# Altium PCB PCB_3_3G_wireless.PcbDoc (part 1 of 6) (continued)
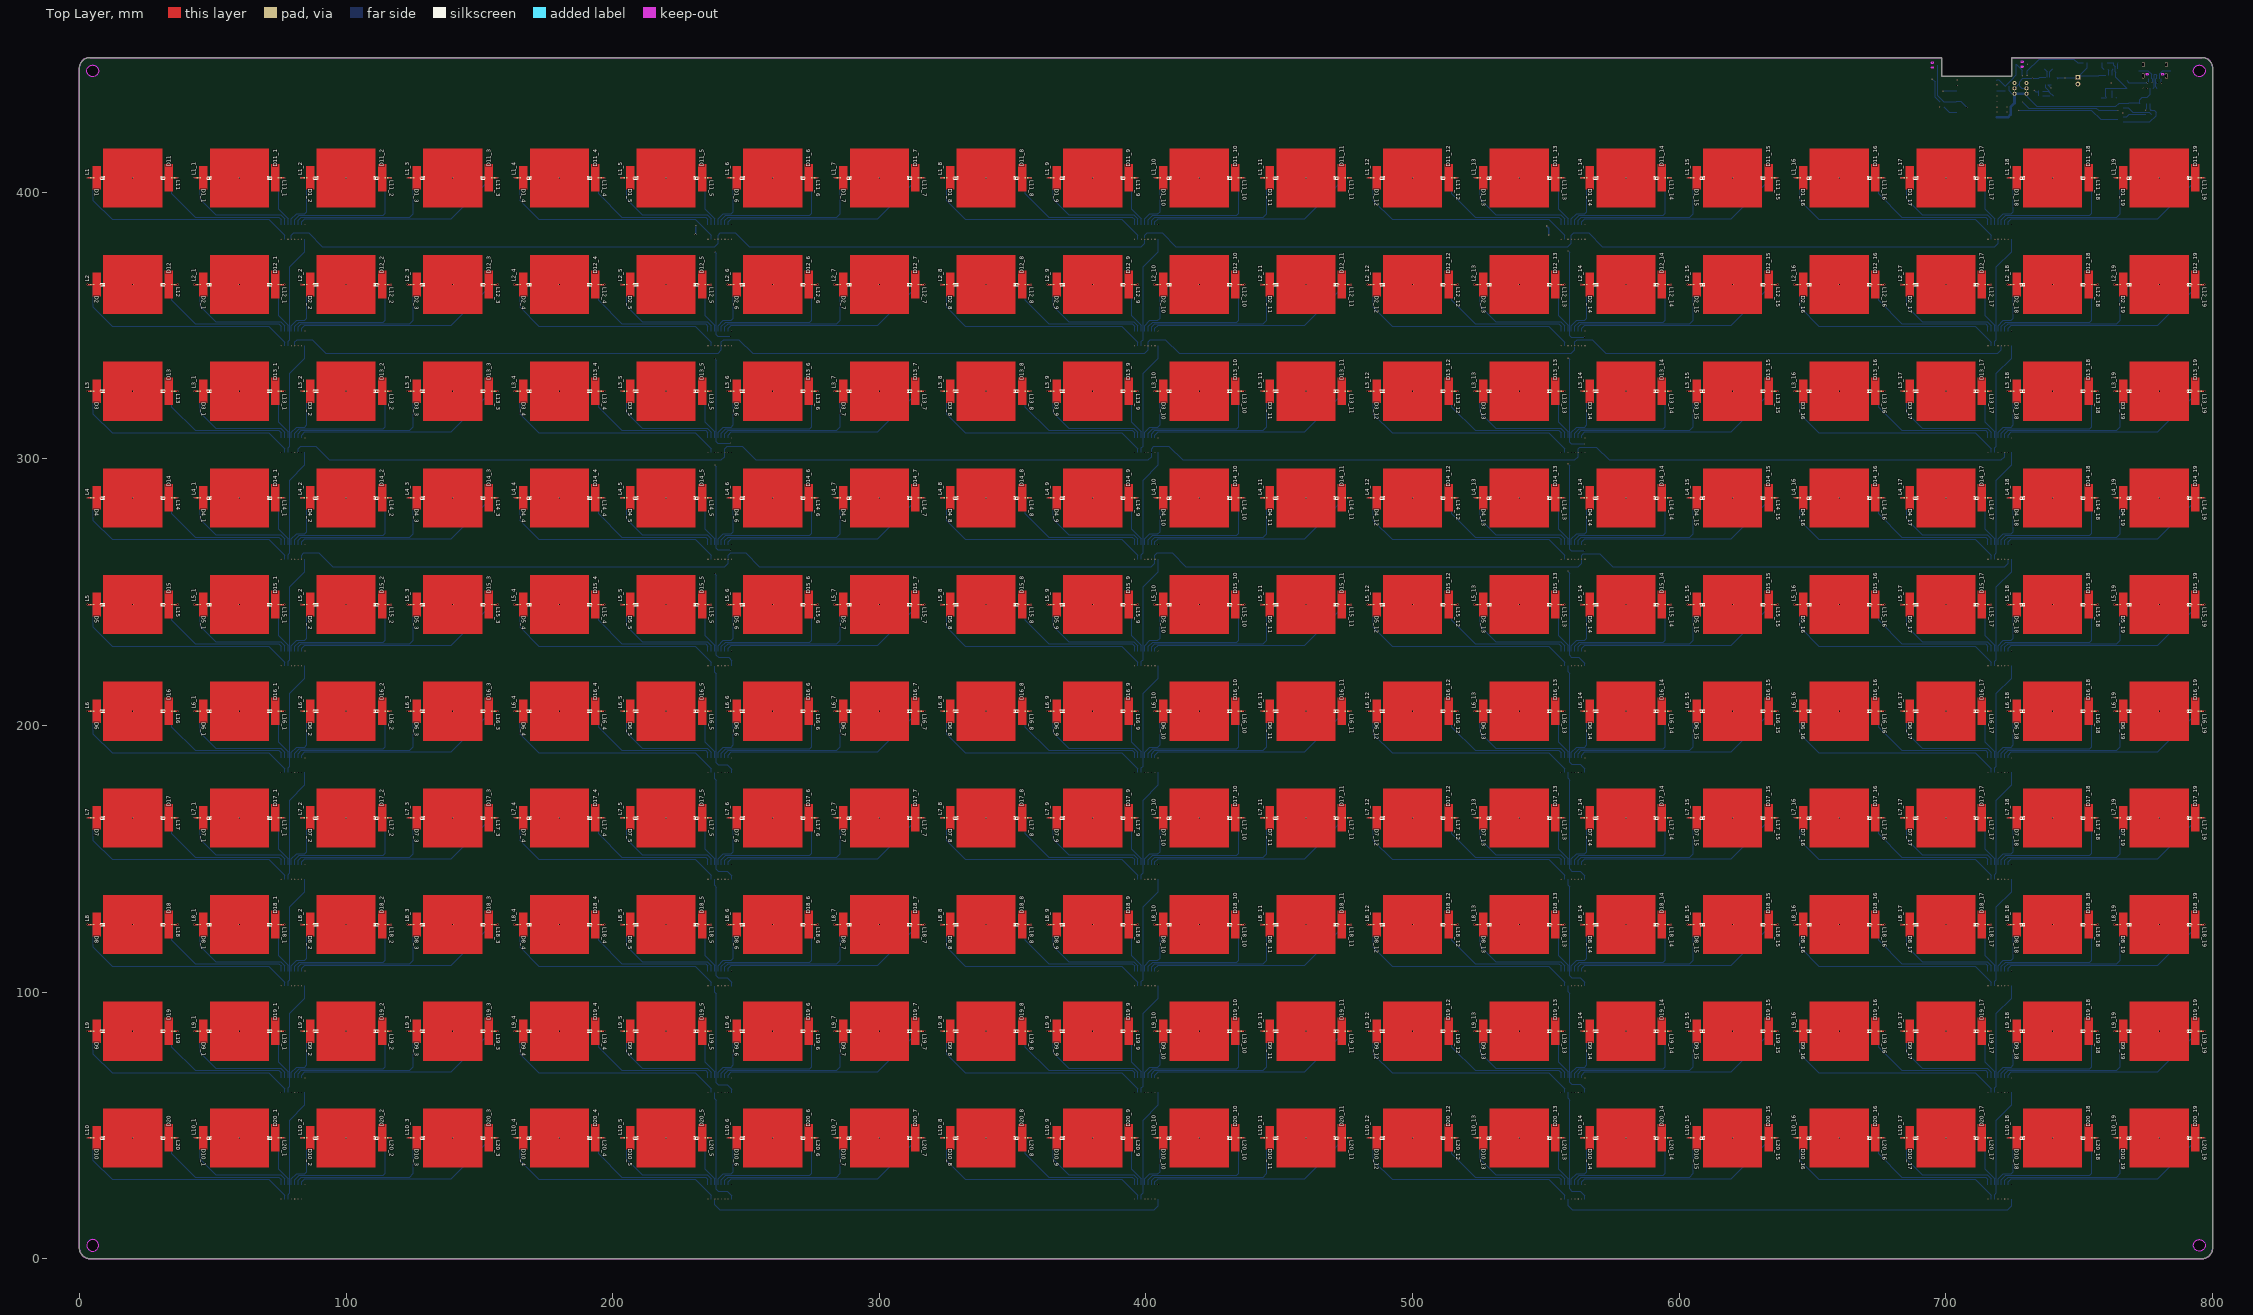
[diagram p0: Top Layer view]
## Components (designator, comment, footprint, x,y, rotation, side; value= is the part's Value field where it differs from the comment) (continued)
BR2_1_5_6 "Comment" 0402 724.776,125.308 r180 bottom
BR2_1_5_7 "Comment" 0402 724.776,85.308 r180 bottom
BR2_1_5_8 "Comment" 0402 724.776,45.308 r180 bottom
BR2_1_6 "Comment" 0402 564.776,365.308 r180 bottom
BR2_1_6_1 "Comment" 0402 564.776,325.308 r180 bottom
BR2_1_6_2 "Comment" 0402 564.776,285.308 r180 bottom
BR2_1_6_3 "Comment" 0402 564.776,245.308 r180 bottom
BR2_1_6_4 "Comment" 0402 564.776,205.308 r180 bottom
BR2_1_6_5 "Comment" 0402 564.776,165.308 r180 bottom
BR2_1_6_6 "Comment" 0402 564.776,125.308 r180 bottom
BR2_1_6_7 "Comment" 0402 564.776,85.308 r180 bottom
BR2_1_6_8 "Comment" 0402 564.776,45.308 r180 bottom
BR2_1_7 "Comment" 0402 404.776,365.308 r180 bottom
BR2_1_7_1 "Comment" 0402 404.776,325.308 r180 bottom
BR2_1_7_2 "Comment" 0402 404.776,285.308 r180 bottom
BR2_1_7_3 "Comment" 0402 404.776,245.308 r180 bottom
BR2_1_7_4 "Comment" 0402 404.776,205.308 r180 bottom
BR2_1_7_5 "Comment" 0402 404.776,165.308 r180 bottom
BR2_1_7_6 "Comment" 0402 404.776,125.308 r180 bottom
BR2_1_7_7 "Comment" 0402 404.776,85.308 r180 bottom
BR2_1_7_8 "Comment" 0402 404.776,45.308 r180 bottom
BR2_1_8 "Comment" 0402 244.776,365.308 r180 bottom
BR2_1_8_1 "Comment" 0402 244.776,325.308 r180 bottom
BR2_1_8_2 "Comment" 0402 244.776,285.308 r180 bottom
BR2_1_8_3 "Comment" 0402 244.776,245.308 r180 bottom
BR2_1_8_4 "Comment" 0402 244.776,205.308 r180 bottom
BR2_1_8_5 "Comment" 0402 244.776,165.308 r180 bottom
BR2_1_8_6 "Comment" 0402 244.776,125.308 r180 bottom
BR2_1_8_7 "Comment" 0402 244.776,85.308 r180 bottom
BR2_1_8_8 "Comment" 0402 244.776,45.308 r180 bottom
BR2_1_9 "Comment" 0402 84.776,365.308 r180 bottom
BR2_1_9_1 "Comment" 0402 84.776,325.308 r180 bottom
BR2_1_9_2 "Comment" 0402 84.776,285.308 r180 bottom
BR2_1_9_3 "Comment" 0402 84.776,245.308 r180 bottom
BR2_1_9_4 "Comment" 0402 84.776,205.308 r180 bottom
BR2_1_9_5 "Comment" 0402 84.776,165.308 r180 bottom
BR2_1_9_6 "Comment" 0402 84.776,125.308 r180 bottom
BR2_1_9_7 "Comment" 0402 84.776,85.308 r180 bottom
BR2_1_9_8 "Comment" 0402 84.776,45.308 r180 bottom
BR2_2 "Comment" 0402 684.776,405.308 r180 bottom
BR2_2_1 "Comment" 0402 524.776,405.308 r180 bottom
BR2_2_2 "Comment" 0402 364.776,405.308 r180 bottom
BR2_2_3 "Comment" 0402 204.776,405.308 r180 bottom
BR2_2_4 "Comment" 0402 44.776,405.308 r180 bottom
BR2_2_5 "Comment" 0402 684.776,365.308 r180 bottom
BR2_2_5_1 "Comment" 0402 684.776,325.308 r180 bottom
BR2_2_5_2 "Comment" 0402 684.776,285.308 r180 bottom
BR2_2_5_3 "Comment" 0402 684.776,245.308 r180 bottom
BR2_2_5_4 "Comment" 0402 684.776,205.308 r180 bottom
BR2_2_5_5 "Comment" 0402 684.776,165.308 r180 bottom
BR2_2_5_6 "Comment" 0402 684.776,125.308 r180 bottom
BR2_2_5_7 "Comment" 0402 684.776,85.308 r180 bottom
BR2_2_5_8 "Comment" 0402 684.776,45.308 r180 bottom
BR2_2_6 "Comment" 0402 524.776,365.308 r180 bottom
BR2_2_6_1 "Comment" 0402 524.776,325.308 r180 bottom
BR2_2_6_2 "Comment" 0402 524.776,285.308 r180 bottom
BR2_2_6_3 "Comment" 0402 524.776,245.308 r180 bottom
BR2_2_6_4 "Comment" 0402 524.776,205.308 r180 bottom
BR2_2_6_5 "Comment" 0402 524.776,165.308 r180 bottom
BR2_2_6_6 "Comment" 0402 524.776,125.308 r180 bottom
BR2_2_6_7 "Comment" 0402 524.776,85.308 r180 bottom
BR2_2_6_8 "Comment" 0402 524.776,45.308 r180 bottom
BR2_2_7 "Comment" 0402 364.776,365.308 r180 bottom
BR2_2_7_1 "Comment" 0402 364.776,325.308 r180 bottom
BR2_2_7_2 "Comment" 0402 364.776,285.308 r180 bottom
BR2_2_7_3 "Comment" 0402 364.776,245.308 r180 bottom
BR2_2_7_4 "Comment" 0402 364.776,205.308 r180 bottom
BR2_2_7_5 "Comment" 0402 364.776,165.308 r180 bottom
BR2_2_7_6 "Comment" 0402 364.776,125.308 r180 bottom
BR2_2_7_7 "Comment" 0402 364.776,85.308 r180 bottom
BR2_2_7_8 "Comment" 0402 364.776,45.308 r180 bottom
BR2_2_8 "Comment" 0402 204.776,365.308 r180 bottom
BR2_2_8_1 "Comment" 0402 204.776,325.308 r180 bottom
BR2_2_8_2 "Comment" 0402 204.776,285.308 r180 bottom
BR2_2_8_3 "Comment" 0402 204.776,245.308 r180 bottom
BR2_2_8_4 "Comment" 0402 204.776,205.308 r180 bottom
BR2_2_8_5 "Comment" 0402 204.776,165.308 r180 bottom
BR2_2_8_6 "Comment" 0402 204.776,125.308 r180 bottom
BR2_2_8_7 "Comment" 0402 204.776,85.308 r180 bottom
BR2_2_8_8 "Comment" 0402 204.776,45.308 r180 bottom
BR2_2_9 "Comment" 0402 44.776,365.308 r180 bottom
BR2_2_9_1 "Comment" 0402 44.776,325.308 r180 bottom
BR2_2_9_2 "Comment" 0402 44.776,285.308 r180 bottom
BR2_2_9_3 "Comment" 0402 44.776,245.308 r180 bottom
BR2_2_9_4 "Comment" 0402 44.776,205.308 r180 bottom
BR2_2_9_5 "Comment" 0402 44.776,165.308 r180 bottom
BR2_2_9_6 "Comment" 0402 44.776,125.308 r180 bottom
BR2_2_9_7 "Comment" 0402 44.776,85.308 r180 bottom
BR2_2_9_8 "Comment" 0402 44.776,45.308 r180 bottom
BR2_3 "Comment" 0402 644.776,405.308 r180 bottom
BR2_3_1 "Comment" 0402 484.776,405.308 r180 bottom
BR2_3_2 "Comment" 0402 324.776,405.308 r180 bottom
BR2_3_3 "Comment" 0402 164.776,405.308 r180 bottom
BR2_3_4 "Comment" 0402 4.776,405.308 r180 bottom
BR2_3_5 "Comment" 0402 644.776,365.308 r180 bottom
BR2_3_5_1 "Comment" 0402 644.776,325.308 r180 bottom
BR2_3_5_2 "Comment" 0402 644.776,285.308 r180 bottom
BR2_3_5_3 "Comment" 0402 644.776,245.308 r180 bottom
BR2_3_5_4 "Comment" 0402 644.776,205.308 r180 bottom
BR2_3_5_5 "Comment" 0402 644.776,165.308 r180 bottom
BR2_3_5_6 "Comment" 0402 644.776,125.308 r180 bottom
BR2_3_5_7 "Comment" 0402 644.776,85.308 r180 bottom
BR2_3_5_8 "Comment" 0402 644.776,45.308 r180 bottom
BR2_3_6 "Comment" 0402 484.776,365.308 r180 bottom
BR2_3_6_1 "Comment" 0402 484.776,325.308 r180 bottom
BR2_3_6_2 "Comment" 0402 484.776,285.308 r180 bottom
BR2_3_6_3 "Comment" 0402 484.776,245.308 r180 bottom
BR2_3_6_4 "Comment" 0402 484.776,205.308 r180 bottom
BR2_3_6_5 "Comment" 0402 484.776,165.308 r180 bottom
BR2_3_6_6 "Comment" 0402 484.776,125.308 r180 bottom
BR2_3_6_7 "Comment" 0402 484.776,85.308 r180 bottom
BR2_3_6_8 "Comment" 0402 484.776,45.308 r180 bottom
BR2_3_7 "Comment" 0402 324.776,365.308 r180 bottom
BR2_3_7_1 "Comment" 0402 324.776,325.308 r180 bottom
BR2_3_7_2 "Comment" 0402 324.776,285.308 r180 bottom
BR2_3_7_3 "Comment" 0402 324.776,245.308 r180 bottom
BR2_3_7_4 "Comment" 0402 324.776,205.308 r180 bottom
BR2_3_7_5 "Comment" 0402 324.776,165.308 r180 bottom
BR2_3_7_6 "Comment" 0402 324.776,125.308 r180 bottom
BR2_3_7_7 "Comment" 0402 324.776,85.308 r180 bottom
BR2_3_7_8 "Comment" 0402 324.776,45.308 r180 bottom
BR2_3_8 "Comment" 0402 164.776,365.308 r180 bottom
BR2_3_8_1 "Comment" 0402 164.776,325.308 r180 bottom
BR2_3_8_2 "Comment" 0402 164.776,285.308 r180 bottom
BR2_3_8_3 "Comment" 0402 164.776,245.308 r180 bottom
BR2_3_8_4 "Comment" 0402 164.776,205.308 r180 bottom
BR2_3_8_5 "Comment" 0402 164.776,165.308 r180 bottom
BR2_3_8_6 "Comment" 0402 164.776,125.308 r180 bottom
BR2_3_8_7 "Comment" 0402 164.776,85.308 r180 bottom
BR2_3_8_8 "Comment" 0402 164.776,45.308 r180 bottom
BR2_3_9 "Comment" 0402 4.776,365.308 r180 bottom
BR2_3_9_1 "Comment" 0402 4.776,325.308 r180 bottom
BR2_3_9_2 "Comment" 0402 4.776,285.308 r180 bottom
BR2_3_9_3 "Comment" 0402 4.776,245.308 r180 bottom
BR2_3_9_4 "Comment" 0402 4.776,205.308 r180 bottom
BR2_3_9_5 "Comment" 0402 4.776,165.308 r180 bottom
BR2_3_9_6 "Comment" 0402 4.776,125.308 r180 bottom
BR2_3_9_7 "Comment" 0402 4.776,85.308 r180 bottom
BR2_3_9_8 "Comment" 0402 4.776,45.308 r180 bottom
BR2_4 "Comment" 0402 604.776,405.308 r180 bottom
BR2_5 "Comment" 0402 444.776,405.308 r180 bottom
BR2_6 "Comment" 0402 284.776,405.308 r180 bottom
BR2_7 "Comment" 0402 124.776,405.308 r180 bottom
BR2_8 "Comment" 0402 764.776,365.308 r180 bottom
BR2_8_1 "Comment" 0402 764.776,325.308 r180 bottom
BR2_8_2 "Comment" 0402 764.776,285.308 r180 bottom
BR2_8_3 "Comment" 0402 764.776,245.308 r180 bottom
BR2_8_4 "Comment" 0402 764.776,205.308 r180 bottom
BR2_8_5 "Comment" 0402 764.776,165.308 r180 bottom
BR2_8_6 "Comment" 0402 764.776,125.308 r180 bottom
BR2_8_7 "Comment" 0402 764.776,85.308 r180 bottom
BR2_8_8 "Comment" 0402 764.776,45.308 r180 bottom
BR2_9 "Comment" 0402 604.776,365.308 r180 bottom
BR2_9_1 "Comment" 0402 604.776,325.308 r180 bottom
BR2_9_2 "Comment" 0402 604.776,285.308 r180 bottom
BR2_9_3 "Comment" 0402 604.776,245.308 r180 bottom
BR2_9_4 "Comment" 0402 604.776,205.308 r180 bottom
BR2_9_5 "Comment" 0402 604.776,165.308 r180 bottom
BR2_9_6 "Comment" 0402 604.776,125.308 r180 bottom
BR2_9_7 "Comment" 0402 604.776,85.308 r180 bottom
BR2_9_8 "Comment" 0402 604.776,45.308 r180 bottom
BR2_10 "Comment" 0402 444.776,365.308 r180 bottom
BR2_10_1 "Comment" 0402 444.776,325.308 r180 bottom
BR2_10_2 "Comment" 0402 444.776,285.308 r180 bottom
BR2_10_3 "Comment" 0402 444.776,245.308 r180 bottom
BR2_10_4 "Comment" 0402 444.776,205.308 r180 bottom
BR2_10_5 "Comment" 0402 444.776,165.308 r180 bottom
BR2_10_6 "Comment" 0402 444.776,125.308 r180 bottom
BR2_10_7 "Comment" 0402 444.776,85.308 r180 bottom
BR2_10_8 "Comment" 0402 444.776,45.308 r180 bottom
BR2_11 "Comment" 0402 284.776,365.308 r180 bottom
BR2_11_1 "Comment" 0402 284.776,325.308 r180 bottom
BR2_11_2 "Comment" 0402 284.776,285.308 r180 bottom
BR2_11_3 "Comment" 0402 284.776,245.308 r180 bottom
BR2_11_4 "Comment" 0402 284.776,205.308 r180 bottom
BR2_11_5 "Comment" 0402 284.776,165.308 r180 bottom
BR2_11_6 "Comment" 0402 284.776,125.308 r180 bottom
BR2_11_7 "Comment" 0402 284.776,85.308 r180 bottom
BR2_11_8 "Comment" 0402 284.776,45.308 r180 bottom
BR2_12 "Comment" 0402 124.776,365.308 r180 bottom
BR2_12_1 "Comment" 0402 124.776,325.308 r180 bottom
BR2_12_2 "Comment" 0402 124.776,285.308 r180 bottom
BR2_12_3 "Comment" 0402 124.776,245.308 r180 bottom
BR2_12_4 "Comment" 0402 124.776,205.308 r180 bottom
BR2_12_5 "Comment" 0402 124.776,165.308 r180 bottom
BR2_12_6 "Comment" 0402 124.776,125.308 r180 bottom
BR2_12_7 "Comment" 0402 124.776,85.308 r180 bottom
BR2_12_8 "Comment" 0402 124.776,45.308 r180 bottom
C1 "22u" C0805 734.873,441.627 r90 bottom
C2 "68pF" C0603#1 739.593,436.022 r180 bottom
C3 "22u" C0805 732.556,441.635 r90 bottom
C4 "CC0603KRX7R9BB104" C0603#1 758.233,434.659 r90 bottom
C5 "10u" C0805 741.954,441.495 r90 bottom
C6 "CC0603KRX7R9BB104" C0603#1 755.307,442.976 r90 bottom
C7 "C0603" C0603#2 770.674,434.195 r270 bottom
C8 "C0603" C0603#2 768.637,434.147 r90 bottom
C9 "100nF" C0603#1 757.301,442.958 r90 bottom
C12 "10u" C0603#1 723.575,431.909 r0 bottom
C13 "100nF" C0603#1 723.575,429.938 r0 bottom
C14 "100nF" C0603#1 760.123,434.68 r90 bottom
D1 "Comment" SC-79_L1.2-W0.8-LS1.6-RD 8.611,405.307 r180 top
D1_1 "Comment" SC-79_L1.2-W0.8-LS1.6-RD 48.611,405.307 r180 top
D1_2 "Comment" SC-79_L1.2-W0.8-LS1.6-RD 88.611,405.307 r180 top
D1_3 "Comment" SC-79_L1.2-W0.8-LS1.6-RD 128.611,405.307 r180 top
D1_4 "Comment" SC-79_L1.2-W0.8-LS1.6-RD 168.611,405.307 r180 top
D1_5 "Comment" SC-79_L1.2-W0.8-LS1.6-RD 208.611,405.307 r180 top
D1_6 "Comment" SC-79_L1.2-W0.8-LS1.6-RD 248.611,405.307 r180 top
D1_7 "Comment" SC-79_L1.2-W0.8-LS1.6-RD 288.611,405.307 r180 top
D1_8 "Comment" SC-79_L1.2-W0.8-LS1.6-RD 328.611,405.307 r180 top
D1_9 "Comment" SC-79_L1.2-W0.8-LS1.6-RD 368.611,405.307 r180 top
D1_10 "Comment" SC-79_L1.2-W0.8-LS1.6-RD 408.611,405.307 r180 top
D1_11 "Comment" SC-79_L1.2-W0.8-LS1.6-RD 448.611,405.307 r180 top
D1_12 "Comment" SC-79_L1.2-W0.8-LS1.6-RD 488.611,405.307 r180 top
D1_13 "Comment" SC-79_L1.2-W0.8-LS1.6-RD 528.611,405.307 r180 top
D1_14 "Comment" SC-79_L1.2-W0.8-LS1.6-RD 568.611,405.307 r180 top
D1_15 "Comment" SC-79_L1.2-W0.8-LS1.6-RD 608.611,405.307 r180 top
D1_16 "Comment" SC-79_L1.2-W0.8-LS1.6-RD 648.611,405.307 r180 top
D1_17 "Comment" SC-79_L1.2-W0.8-LS1.6-RD 688.611,405.307 r180 top
D1_18 "Comment" SC-79_L1.2-W0.8-LS1.6-RD 728.611,405.307 r180 top
D1_19 "Comment" SC-79_L1.2-W0.8-LS1.6-RD 768.611,405.307 r180 top
D2 "Comment" SC-79_L1.2-W0.8-LS1.6-RD 8.611,365.307 r180 top
D2_1 "Comment" SC-79_L1.2-W0.8-LS1.6-RD 48.611,365.307 r180 top
D2_2 "Comment" SC-79_L1.2-W0.8-LS1.6-RD 88.611,365.307 r180 top
D2_3 "Comment" SC-79_L1.2-W0.8-LS1.6-RD 128.611,365.307 r180 top
D2_4 "Comment" SC-79_L1.2-W0.8-LS1.6-RD 168.611,365.307 r180 top
D2_5 "Comment" SC-79_L1.2-W0.8-LS1.6-RD 208.611,365.307 r180 top
D2_6 "Comment" SC-79_L1.2-W0.8-LS1.6-RD 248.611,365.307 r180 top
D2_7 "Comment" SC-79_L1.2-W0.8-LS1.6-RD 288.611,365.307 r180 top
D2_8 "Comment" SC-79_L1.2-W0.8-LS1.6-RD 328.611,365.307 r180 top
D2_9 "Comment" SC-79_L1.2-W0.8-LS1.6-RD 368.611,365.307 r180 top
D2_10 "Comment" SC-79_L1.2-W0.8-LS1.6-RD 408.611,365.307 r180 top
D2_11 "Comment" SC-79_L1.2-W0.8-LS1.6-RD 448.611,365.307 r180 top
D2_12 "Comment" SC-79_L1.2-W0.8-LS1.6-RD 488.611,365.307 r180 top
D2_13 "Comment" SC-79_L1.2-W0.8-LS1.6-RD 528.611,365.307 r180 top
D2_14 "Comment" SC-79_L1.2-W0.8-LS1.6-RD 568.611,365.307 r180 top
D2_15 "Comment" SC-79_L1.2-W0.8-LS1.6-RD 608.611,365.307 r180 top
D2_16 "Comment" SC-79_L1.2-W0.8-LS1.6-RD 648.611,365.307 r180 top
D2_17 "Comment" SC-79_L1.2-W0.8-LS1.6-RD 688.611,365.307 r180 top
D2_18 "Comment" SC-79_L1.2-W0.8-LS1.6-RD 728.611,365.307 r180 top
D2_19 "Comment" SC-79_L1.2-W0.8-LS1.6-RD 768.611,365.307 r180 top
D3 "Comment" SC-79_L1.2-W0.8-LS1.6-RD 8.611,325.307 r180 top
D3_1 "Comment" SC-79_L1.2-W0.8-LS1.6-RD 48.611,325.307 r180 top
D3_2 "Comment" SC-79_L1.2-W0.8-LS1.6-RD 88.611,325.307 r180 top
D3_3 "Comment" SC-79_L1.2-W0.8-LS1.6-RD 128.611,325.307 r180 top
D3_4 "Comment" SC-79_L1.2-W0.8-LS1.6-RD 168.611,325.307 r180 top
D3_5 "Comment" SC-79_L1.2-W0.8-LS1.6-RD 208.611,325.307 r180 top
D3_6 "Comment" SC-79_L1.2-W0.8-LS1.6-RD 248.611,325.307 r180 top
D3_7 "Comment" SC-79_L1.2-W0.8-LS1.6-RD 288.611,325.307 r180 top
D3_8 "Comment" SC-79_L1.2-W0.8-LS1.6-RD 328.611,325.307 r180 top
D3_9 "Comment" SC-79_L1.2-W0.8-LS1.6-RD 368.611,325.307 r180 top
D3_10 "Comment" SC-79_L1.2-W0.8-LS1.6-RD 408.611,325.307 r180 top
D3_11 "Comment" SC-79_L1.2-W0.8-LS1.6-RD 448.611,325.307 r180 top
D3_12 "Comment" SC-79_L1.2-W0.8-LS1.6-RD 488.611,325.307 r180 top
D3_13 "Comment" SC-79_L1.2-W0.8-LS1.6-RD 528.611,325.307 r180 top
D3_14 "Comment" SC-79_L1.2-W0.8-LS1.6-RD 568.611,325.307 r180 top
D3_15 "Comment" SC-79_L1.2-W0.8-LS1.6-RD 608.611,325.307 r180 top
D3_16 "Comment" SC-79_L1.2-W0.8-LS1.6-RD 648.611,325.307 r180 top
D3_17 "Comment" SC-79_L1.2-W0.8-LS1.6-RD 688.611,325.307 r180 top
D3_18 "Comment" SC-79_L1.2-W0.8-LS1.6-RD 728.611,325.307 r180 top
D3_19 "Comment" SC-79_L1.2-W0.8-LS1.6-RD 768.611,325.307 r180 top
D4 "Comment" SC-79_L1.2-W0.8-LS1.6-RD 8.611,285.307 r180 top
D4_1 "Comment" SC-79_L1.2-W0.8-LS1.6-RD 48.611,285.307 r180 top
D4_2 "Comment" SC-79_L1.2-W0.8-LS1.6-RD 88.611,285.307 r180 top
D4_3 "Comment" SC-79_L1.2-W0.8-LS1.6-RD 128.611,285.307 r180 top
D4_4 "Comment" SC-79_L1.2-W0.8-LS1.6-RD 168.611,285.307 r180 top
D4_5 "Comment" SC-79_L1.2-W0.8-LS1.6-RD 208.611,285.307 r180 top
D4_6 "Comment" SC-79_L1.2-W0.8-LS1.6-RD 248.611,285.307 r180 top
D4_7 "Comment" SC-79_L1.2-W0.8-LS1.6-RD 288.611,285.307 r180 top
D4_8 "Comment" SC-79_L1.2-W0.8-LS1.6-RD 328.611,285.307 r180 top
D4_9 "Comment" SC-79_L1.2-W0.8-LS1.6-RD 368.611,285.307 r180 top
D4_10 "Comment" SC-79_L1.2-W0.8-LS1.6-RD 408.611,285.307 r180 top
D4_11 "Comment" SC-79_L1.2-W0.8-LS1.6-RD 448.611,285.307 r180 top
D4_12 "Comment" SC-79_L1.2-W0.8-LS1.6-RD 488.611,285.307 r180 top
D4_13 "Comment" SC-79_L1.2-W0.8-LS1.6-RD 528.611,285.307 r180 top
D4_14 "Comment" SC-79_L1.2-W0.8-LS1.6-RD 568.611,285.307 r180 top
D4_15 "Comment" SC-79_L1.2-W0.8-LS1.6-RD 608.611,285.307 r180 top
D4_16 "Comment" SC-79_L1.2-W0.8-LS1.6-RD 648.611,285.307 r180 top
D4_17 "Comment" SC-79_L1.2-W0.8-LS1.6-RD 688.611,285.307 r180 top
D4_18 "Comment" SC-79_L1.2-W0.8-LS1.6-RD 728.611,285.307 r180 top
D4_19 "Comment" SC-79_L1.2-W0.8-LS1.6-RD 768.611,285.307 r180 top
D5 "Comment" SC-79_L1.2-W0.8-LS1.6-RD 8.611,245.307 r180 top
D5_1 "Comment" SC-79_L1.2-W0.8-LS1.6-RD 48.611,245.307 r180 top
D5_2 "Comment" SC-79_L1.2-W0.8-LS1.6-RD 88.611,245.307 r180 top
D5_3 "Comment" SC-79_L1.2-W0.8-LS1.6-RD 128.611,245.307 r180 top
D5_4 "Comment" SC-79_L1.2-W0.8-LS1.6-RD 168.611,245.307 r180 top
D5_5 "Comment" SC-79_L1.2-W0.8-LS1.6-RD 208.611,245.307 r180 top
D5_6 "Comment" SC-79_L1.2-W0.8-LS1.6-RD 248.611,245.307 r180 top
D5_7 "Comment" SC-79_L1.2-W0.8-LS1.6-RD 288.611,245.307 r180 top
D5_8 "Comment" SC-79_L1.2-W0.8-LS1.6-RD 328.611,245.307 r180 top
D5_9 "Comment" SC-79_L1.2-W0.8-LS1.6-RD 368.611,245.307 r180 top
D5_10 "Comment" SC-79_L1.2-W0.8-LS1.6-RD 408.611,245.307 r180 top
D5_11 "Comment" SC-79_L1.2-W0.8-LS1.6-RD 448.611,245.307 r180 top
D5_12 "Comment" SC-79_L1.2-W0.8-LS1.6-RD 488.611,245.307 r180 top
D5_13 "Comment" SC-79_L1.2-W0.8-LS1.6-RD 528.611,245.307 r180 top
D5_14 "Comment" SC-79_L1.2-W0.8-LS1.6-RD 568.611,245.307 r180 top
D5_15 "Comment" SC-79_L1.2-W0.8-LS1.6-RD 608.611,245.307 r180 top
D5_16 "Comment" SC-79_L1.2-W0.8-LS1.6-RD 648.611,245.307 r180 top
D5_17 "Comment" SC-79_L1.2-W0.8-LS1.6-RD 688.611,245.307 r180 top
D5_18 "Comment" SC-79_L1.2-W0.8-LS1.6-RD 728.611,245.307 r180 top
D5_19 "Comment" SC-79_L1.2-W0.8-LS1.6-RD 768.611,245.307 r180 top
D6 "Comment" SC-79_L1.2-W0.8-LS1.6-RD 8.611,205.307 r180 top
D6_1 "Comment" SC-79_L1.2-W0.8-LS1.6-RD 48.611,205.307 r180 top
D6_2 "Comment" SC-79_L1.2-W0.8-LS1.6-RD 88.611,205.307 r180 top
D6_3 "Comment" SC-79_L1.2-W0.8-LS1.6-RD 128.611,205.307 r180 top
D6_4 "Comment" SC-79_L1.2-W0.8-LS1.6-RD 168.611,205.307 r180 top
D6_5 "Comment" SC-79_L1.2-W0.8-LS1.6-RD 208.611,205.307 r180 top
D6_6 "Comment" SC-79_L1.2-W0.8-LS1.6-RD 248.611,205.307 r180 top
D6_7 "Comment" SC-79_L1.2-W0.8-LS1.6-RD 288.611,205.307 r180 top
D6_8 "Comment" SC-79_L1.2-W0.8-LS1.6-RD 328.611,205.307 r180 top
D6_9 "Comment" SC-79_L1.2-W0.8-LS1.6-RD 368.611,205.307 r180 top
D6_10 "Comment" SC-79_L1.2-W0.8-LS1.6-RD 408.611,205.307 r180 top
D6_11 "Comment" SC-79_L1.2-W0.8-LS1.6-RD 448.611,205.307 r180 top
D6_12 "Comment" SC-79_L1.2-W0.8-LS1.6-RD 488.611,205.307 r180 top
D6_13 "Comment" SC-79_L1.2-W0.8-LS1.6-RD 528.611,205.307 r180 top
D6_14 "Comment" SC-79_L1.2-W0.8-LS1.6-RD 568.611,205.307 r180 top
D6_15 "Comment" SC-79_L1.2-W0.8-LS1.6-RD 608.611,205.307 r180 top
D6_16 "Comment" SC-79_L1.2-W0.8-LS1.6-RD 648.611,205.307 r180 top
D6_17 "Comment" SC-79_L1.2-W0.8-LS1.6-RD 688.611,205.307 r180 top
D6_18 "Comment" SC-79_L1.2-W0.8-LS1.6-RD 728.611,205.307 r180 top
D6_19 "Comment" SC-79_L1.2-W0.8-LS1.6-RD 768.611,205.307 r180 top
D7 "Comment" SC-79_L1.2-W0.8-LS1.6-RD 8.611,165.307 r180 top
D7_1 "Comment" SC-79_L1.2-W0.8-LS1.6-RD 48.611,165.307 r180 top
D7_2 "Comment" SC-79_L1.2-W0.8-LS1.6-RD 88.611,165.307 r180 top
D7_3 "Comment" SC-79_L1.2-W0.8-LS1.6-RD 128.611,165.307 r180 top
D7_4 "Comment" SC-79_L1.2-W0.8-LS1.6-RD 168.611,165.307 r180 top
D7_5 "Comment" SC-79_L1.2-W0.8-LS1.6-RD 208.611,165.307 r180 top
D7_6 "Comment" SC-79_L1.2-W0.8-LS1.6-RD 248.611,165.307 r180 top
D7_7 "Comment" SC-79_L1.2-W0.8-LS1.6-RD 288.611,165.307 r180 top
D7_8 "Comment" SC-79_L1.2-W0.8-LS1.6-RD 328.611,165.307 r180 top
D7_9 "Comment" SC-79_L1.2-W0.8-LS1.6-RD 368.611,165.307 r180 top
D7_10 "Comment" SC-79_L1.2-W0.8-LS1.6-RD 408.611,165.307 r180 top
D7_11 "Comment" SC-79_L1.2-W0.8-LS1.6-RD 448.611,165.307 r180 top
D7_12 "Comment" SC-79_L1.2-W0.8-LS1.6-RD 488.611,165.307 r180 top
D7_13 "Comment" SC-79_L1.2-W0.8-LS1.6-RD 528.611,165.307 r180 top
D7_14 "Comment" SC-79_L1.2-W0.8-LS1.6-RD 568.611,165.307 r180 top
D7_15 "Comment" SC-79_L1.2-W0.8-LS1.6-RD 608.611,165.307 r180 top
D7_16 "Comment" SC-79_L1.2-W0.8-LS1.6-RD 648.611,165.307 r180 top
D7_17 "Comment" SC-79_L1.2-W0.8-LS1.6-RD 688.611,165.307 r180 top
D7_18 "Comment" SC-79_L1.2-W0.8-LS1.6-RD 728.611,165.307 r180 top
D7_19 "Comment" SC-79_L1.2-W0.8-LS1.6-RD 768.611,165.307 r180 top
D8 "Comment" SC-79_L1.2-W0.8-LS1.6-RD 8.611,125.307 r180 top
D8_1 "Comment" SC-79_L1.2-W0.8-LS1.6-RD 48.611,125.307 r180 top
D8_2 "Comment" SC-79_L1.2-W0.8-LS1.6-RD 88.611,125.307 r180 top
D8_3 "Comment" SC-79_L1.2-W0.8-LS1.6-RD 128.611,125.307 r180 top
D8_4 "Comment" SC-79_L1.2-W0.8-LS1.6-RD 168.611,125.307 r180 top
D8_5 "Comment" SC-79_L1.2-W0.8-LS1.6-RD 208.611,125.307 r180 top
D8_6 "Comment" SC-79_L1.2-W0.8-LS1.6-RD 248.611,125.307 r180 top
D8_7 "Comment" SC-79_L1.2-W0.8-LS1.6-RD 288.611,125.307 r180 top
D8_8 "Comment" SC-79_L1.2-W0.8-LS1.6-RD 328.611,125.307 r180 top
D8_9 "Comment" SC-79_L1.2-W0.8-LS1.6-RD 368.611,125.307 r180 top
D8_10 "Comment" SC-79_L1.2-W0.8-LS1.6-RD 408.611,125.307 r180 top
D8_11 "Comment" SC-79_L1.2-W0.8-LS1.6-RD 448.611,125.307 r180 top
D8_12 "Comment" SC-79_L1.2-W0.8-LS1.6-RD 488.611,125.307 r180 top
D8_13 "Comment" SC-79_L1.2-W0.8-LS1.6-RD 528.611,125.307 r180 top
D8_14 "Comment" SC-79_L1.2-W0.8-LS1.6-RD 568.611,125.307 r180 top
D8_15 "Comment" SC-79_L1.2-W0.8-LS1.6-RD 608.611,125.307 r180 top
D8_16 "Comment" SC-79_L1.2-W0.8-LS1.6-RD 648.611,125.307 r180 top
D8_17 "Comment" SC-79_L1.2-W0.8-LS1.6-RD 688.611,125.307 r180 top
D8_18 "Comment" SC-79_L1.2-W0.8-LS1.6-RD 728.611,125.307 r180 top
D8_19 "Comment" SC-79_L1.2-W0.8-LS1.6-RD 768.611,125.307 r180 top
D9 "Comment" SC-79_L1.2-W0.8-LS1.6-RD 8.611,85.307 r180 top
D9_1 "Comment" SC-79_L1.2-W0.8-LS1.6-RD 48.611,85.307 r180 top
D9_2 "Comment" SC-79_L1.2-W0.8-LS1.6-RD 88.611,85.307 r180 top
D9_3 "Comment" SC-79_L1.2-W0.8-LS1.6-RD 128.611,85.307 r180 top
D9_4 "Comment" SC-79_L1.2-W0.8-LS1.6-RD 168.611,85.307 r180 top
D9_5 "Comment" SC-79_L1.2-W0.8-LS1.6-RD 208.611,85.307 r180 top
D9_6 "Comment" SC-79_L1.2-W0.8-LS1.6-RD 248.611,85.307 r180 top
D9_7 "Comment" SC-79_L1.2-W0.8-LS1.6-RD 288.611,85.307 r180 top
D9_8 "Comment" SC-79_L1.2-W0.8-LS1.6-RD 328.611,85.307 r180 top
D9_9 "Comment" SC-79_L1.2-W0.8-LS1.6-RD 368.611,85.307 r180 top
D9_10 "Comment" SC-79_L1.2-W0.8-LS1.6-RD 408.611,85.307 r180 top
D9_11 "Comment" SC-79_L1.2-W0.8-LS1.6-RD 448.611,85.307 r180 top
D9_12 "Comment" SC-79_L1.2-W0.8-LS1.6-RD 488.611,85.307 r180 top
D9_13 "Comment" SC-79_L1.2-W0.8-LS1.6-RD 528.611,85.307 r180 top
D9_14 "Comment" SC-79_L1.2-W0.8-LS1.6-RD 568.611,85.307 r180 top
D9_15 "Comment" SC-79_L1.2-W0.8-LS1.6-RD 608.611,85.307 r180 top
D9_16 "Comment" SC-79_L1.2-W0.8-LS1.6-RD 648.611,85.307 r180 top
D9_17 "Comment" SC-79_L1.2-W0.8-LS1.6-RD 688.611,85.307 r180 top
D9_18 "Comment" SC-79_L1.2-W0.8-LS1.6-RD 728.611,85.307 r180 top
D9_19 "Comment" SC-79_L1.2-W0.8-LS1.6-RD 768.611,85.307 r180 top
D10 "Comment" SC-79_L1.2-W0.8-LS1.6-RD 8.611,45.307 r180 top
D10_1 "Comment" SC-79_L1.2-W0.8-LS1.6-RD 48.611,45.307 r180 top
D10_2 "Comment" SC-79_L1.2-W0.8-LS1.6-RD 88.611,45.307 r180 top
D10_3 "Comment" SC-79_L1.2-W0.8-LS1.6-RD 128.611,45.307 r180 top
D10_4 "Comment" SC-79_L1.2-W0.8-LS1.6-RD 168.611,45.307 r180 top
D10_5 "Comment" SC-79_L1.2-W0.8-LS1.6-RD 208.611,45.307 r180 top
D10_6 "Comment" SC-79_L1.2-W0.8-LS1.6-RD 248.611,45.307 r180 top
D10_7 "Comment" SC-79_L1.2-W0.8-LS1.6-RD 288.611,45.307 r180 top
D10_8 "Comment" SC-79_L1.2-W0.8-LS1.6-RD 328.611,45.307 r180 top
D10_9 "Comment" SC-79_L1.2-W0.8-LS1.6-RD 368.611,45.307 r180 top
D10_10 "Comment" SC-79_L1.2-W0.8-LS1.6-RD 408.611,45.307 r180 top
D10_11 "Comment" SC-79_L1.2-W0.8-LS1.6-RD 448.611,45.307 r180 top
D10_12 "Comment" SC-79_L1.2-W0.8-LS1.6-RD 488.611,45.307 r180 top
D10_13 "Comment" SC-79_L1.2-W0.8-LS1.6-RD 528.611,45.307 r180 top
D10_14 "Comment" SC-79_L1.2-W0.8-LS1.6-RD 568.611,45.307 r180 top
D10_15 "Comment" SC-79_L1.2-W0.8-LS1.6-RD 608.611,45.307 r180 top
D10_16 "Comment" SC-79_L1.2-W0.8-LS1.6-RD 648.611,45.307 r180 top
D10_17 "Comment" SC-79_L1.2-W0.8-LS1.6-RD 688.611,45.307 r180 top
D10_18 "Comment" SC-79_L1.2-W0.8-LS1.6-RD 728.611,45.307 r180 top
D10_19 "Comment" SC-79_L1.2-W0.8-LS1.6-RD 768.611,45.307 r180 top
D11 "Comment" SC-79_L1.2-W0.8-LS1.6-RD 31.389,405.308 r0 top
D11_1 "Comment" SC-79_L1.2-W0.8-LS1.6-RD 71.389,405.308 r0 top
D11_2 "Comment" SC-79_L1.2-W0.8-LS1.6-RD 111.389,405.308 r0 top
D11_3 "Comment" SC-79_L1.2-W0.8-LS1.6-RD 151.389,405.308 r0 top
D11_4 "Comment" SC-79_L1.2-W0.8-LS1.6-RD 191.389,405.308 r0 top
D11_5 "Comment" SC-79_L1.2-W0.8-LS1.6-RD 231.389,405.308 r0 top
D11_6 "Comment" SC-79_L1.2-W0.8-LS1.6-RD 271.389,405.308 r0 top
D11_7 "Comment" SC-79_L1.2-W0.8-LS1.6-RD 311.389,405.308 r0 top
D11_8 "Comment" SC-79_L1.2-W0.8-LS1.6-RD 351.389,405.308 r0 top
D11_9 "Comment" SC-79_L1.2-W0.8-LS1.6-RD 391.389,405.308 r0 top
D11_10 "Comment" SC-79_L1.2-W0.8-LS1.6-RD 431.389,405.308 r0 top
D11_11 "Comment" SC-79_L1.2-W0.8-LS1.6-RD 471.389,405.308 r0 top
D11_12 "Comment" SC-79_L1.2-W0.8-LS1.6-RD 511.389,405.308 r0 top
D11_13 "Comment" SC-79_L1.2-W0.8-LS1.6-RD 551.389,405.308 r0 top
D11_14 "Comment" SC-79_L1.2-W0.8-LS1.6-RD 591.389,405.308 r0 top
D11_15 "Comment" SC-79_L1.2-W0.8-LS1.6-RD 631.389,405.308 r0 top
D11_16 "Comment" SC-79_L1.2-W0.8-LS1.6-RD 671.389,405.308 r0 top
D11_17 "Comment" SC-79_L1.2-W0.8-LS1.6-RD 711.389,405.308 r0 top
D11_18 "Comment" SC-79_L1.2-W0.8-LS1.6-RD 751.389,405.308 r0 top
D11_19 "Comment" SC-79_L1.2-W0.8-LS1.6-RD 791.389,405.308 r0 top
D12 "Comment" SC-79_L1.2-W0.8-LS1.6-RD 31.389,365.308 r0 top
D12_1 "Comment" SC-79_L1.2-W0.8-LS1.6-RD 71.389,365.308 r0 top
D12_2 "Comment" SC-79_L1.2-W0.8-LS1.6-RD 111.389,365.308 r0 top
D12_3 "Comment" SC-79_L1.2-W0.8-LS1.6-RD 151.389,365.308 r0 top
D12_4 "Comment" SC-79_L1.2-W0.8-LS1.6-RD 191.389,365.308 r0 top
D12_5 "Comment" SC-79_L1.2-W0.8-LS1.6-RD 231.389,365.308 r0 top
D12_6 "Comment" SC-79_L1.2-W0.8-LS1.6-RD 271.389,365.308 r0 top
D12_7 "Comment" SC-79_L1.2-W0.8-LS1.6-RD 311.389,365.308 r0 top
D12_8 "Comment" SC-79_L1.2-W0.8-LS1.6-RD 351.389,365.308 r0 top
D12_9 "Comment" SC-79_L1.2-W0.8-LS1.6-RD 391.389,365.308 r0 top
D12_10 "Comment" SC-79_L1.2-W0.8-LS1.6-RD 431.389,365.308 r0 top
D12_11 "Comment" SC-79_L1.2-W0.8-LS1.6-RD 471.389,365.308 r0 top
D12_12 "Comment" SC-79_L1.2-W0.8-LS1.6-RD 511.389,365.308 r0 top
D12_13 "Comment" SC-79_L1.2-W0.8-LS1.6-RD 551.389,365.308 r0 top
D12_14 "Comment" SC-79_L1.2-W0.8-LS1.6-RD 591.389,365.308 r0 top
D12_15 "Comment" SC-79_L1.2-W0.8-LS1.6-RD 631.389,365.308 r0 top
D12_16 "Comment" SC-79_L1.2-W0.8-LS1.6-RD 671.389,365.308 r0 top
D12_17 "Comment" SC-79_L1.2-W0.8-LS1.6-RD 711.389,365.308 r0 top
D12_18 "Comment" SC-79_L1.2-W0.8-LS1.6-RD 751.389,365.308 r0 top
D12_19 "Comment" SC-79_L1.2-W0.8-LS1.6-RD 791.389,365.308 r0 top
D13 "Comment" SC-79_L1.2-W0.8-LS1.6-RD 31.389,325.308 r0 top
D13_1 "Comment" SC-79_L1.2-W0.8-LS1.6-RD 71.389,325.308 r0 top
D13_2 "Comment" SC-79_L1.2-W0.8-LS1.6-RD 111.389,325.308 r0 top
D13_3 "Comment" SC-79_L1.2-W0.8-LS1.6-RD 151.389,325.308 r0 top
D13_4 "Comment" SC-79_L1.2-W0.8-LS1.6-RD 191.389,325.308 r0 top
D13_5 "Comment" SC-79_L1.2-W0.8-LS1.6-RD 231.389,325.308 r0 top
D13_6 "Comment" SC-79_L1.2-W0.8-LS1.6-RD 271.389,325.308 r0 top
D13_7 "Comment" SC-79_L1.2-W0.8-LS1.6-RD 311.389,325.308 r0 top
D13_8 "Comment" SC-79_L1.2-W0.8-LS1.6-RD 351.389,325.308 r0 top
D13_9 "Comment" SC-79_L1.2-W0.8-LS1.6-RD 391.389,325.308 r0 top
D13_10 "Comment" SC-79_L1.2-W0.8-LS1.6-RD 431.389,325.308 r0 top
D13_11 "Comment" SC-79_L1.2-W0.8-LS1.6-RD 471.389,325.308 r0 top
D13_12 "Comment" SC-79_L1.2-W0.8-LS1.6-RD 511.389,325.308 r0 top
D13_13 "Comment" SC-79_L1.2-W0.8-LS1.6-RD 551.389,325.308 r0 top
D13_14 "Comment" SC-79_L1.2-W0.8-LS1.6-RD 591.389,325.308 r0 top
D13_15 "Comment" SC-79_L1.2-W0.8-LS1.6-RD 631.389,325.308 r0 top
D13_16 "Comment" SC-79_L1.2-W0.8-LS1.6-RD 671.389,325.308 r0 top
D13_17 "Comment" SC-79_L1.2-W0.8-LS1.6-RD 711.389,325.308 r0 top
D13_18 "Comment" SC-79_L1.2-W0.8-LS1.6-RD 751.389,325.308 r0 top
D13_19 "Comment" SC-79_L1.2-W0.8-LS1.6-RD 791.389,325.308 r0 top
D14 "Comment" SC-79_L1.2-W0.8-LS1.6-RD 31.389,285.308 r0 top
D14_1 "Comment" SC-79_L1.2-W0.8-LS1.6-RD 71.389,285.308 r0 top
D14_2 "Comment" SC-79_L1.2-W0.8-LS1.6-RD 111.389,285.308 r0 top
D14_3 "Comment" SC-79_L1.2-W0.8-LS1.6-RD 151.389,285.308 r0 top
D14_4 "Comment" SC-79_L1.2-W0.8-LS1.6-RD 191.389,285.308 r0 top
D14_5 "Comment" SC-79_L1.2-W0.8-LS1.6-RD 231.389,285.308 r0 top
D14_6 "Comment" SC-79_L1.2-W0.8-LS1.6-RD 271.389,285.308 r0 top
D14_7 "Comment" SC-79_L1.2-W0.8-LS1.6-RD 311.389,285.308 r0 top
D14_8 "Comment" SC-79_L1.2-W0.8-LS1.6-RD 351.389,285.308 r0 top
D14_9 "Comment" SC-79_L1.2-W0.8-LS1.6-RD 391.389,285.308 r0 top
D14_10 "Comment" SC-79_L1.2-W0.8-LS1.6-RD 431.389,285.308 r0 top
D14_11 "Comment" SC-79_L1.2-W0.8-LS1.6-RD 471.389,285.308 r0 top
D14_12 "Comment" SC-79_L1.2-W0.8-LS1.6-RD 511.389,285.308 r0 top
D14_13 "Comment" SC-79_L1.2-W0.8-LS1.6-RD 551.389,285.308 r0 top
D14_14 "Comment" SC-79_L1.2-W0.8-LS1.6-RD 591.389,285.308 r0 top
D14_15 "Comment" SC-79_L1.2-W0.8-LS1.6-RD 631.389,285.308 r0 top
D14_16 "Comment" SC-79_L1.2-W0.8-LS1.6-RD 671.389,285.308 r0 top
D14_17 "Comment" SC-79_L1.2-W0.8-LS1.6-RD 711.389,285.308 r0 top
D14_18 "Comment" SC-79_L1.2-W0.8-LS1.6-RD 751.389,285.308 r0 top
D14_19 "Comment" SC-79_L1.2-W0.8-LS1.6-RD 791.389,285.308 r0 top
D15 "Comment" SC-79_L1.2-W0.8-LS1.6-RD 31.389,245.308 r0 top
D15_1 "Comment" SC-79_L1.2-W0.8-LS1.6-RD 71.389,245.308 r0 top
D15_2 "Comment" SC-79_L1.2-W0.8-LS1.6-RD 111.389,245.308 r0 top
D15_3 "Comment" SC-79_L1.2-W0.8-LS1.6-RD 151.389,245.308 r0 top
D15_4 "Comment" SC-79_L1.2-W0.8-LS1.6-RD 191.389,245.308 r0 top
D15_5 "Comment" SC-79_L1.2-W0.8-LS1.6-RD 231.389,245.308 r0 top
D15_6 "Comment" SC-79_L1.2-W0.8-LS1.6-RD 271.389,245.308 r0 top
D15_7 "Comment" SC-79_L1.2-W0.8-LS1.6-RD 311.389,245.308 r0 top
D15_8 "Comment" SC-79_L1.2-W0.8-LS1.6-RD 351.389,245.308 r0 top
D15_9 "Comment" SC-79_L1.2-W0.8-LS1.6-RD 391.389,245.308 r0 top
D15_10 "Comment" SC-79_L1.2-W0.8-LS1.6-RD 431.389,245.308 r0 top
D15_11 "Comment" SC-79_L1.2-W0.8-LS1.6-RD 471.389,245.308 r0 top
D15_12 "Comment" SC-79_L1.2-W0.8-LS1.6-RD 511.389,245.308 r0 top
D15_13 "Comment" SC-79_L1.2-W0.8-LS1.6-RD 551.389,245.308 r0 top
D15_14 "Comment" SC-79_L1.2-W0.8-LS1.6-RD 591.389,245.308 r0 top
D15_15 "Comment" SC-79_L1.2-W0.8-LS1.6-RD 631.389,245.308 r0 top
D15_16 "Comment" SC-79_L1.2-W0.8-LS1.6-RD 671.389,245.308 r0 top
D15_17 "Comment" SC-79_L1.2-W0.8-LS1.6-RD 711.389,245.308 r0 top
D15_18 "Comment" SC-79_L1.2-W0.8-LS1.6-RD 751.389,245.308 r0 top
D15_19 "Comment" SC-79_L1.2-W0.8-LS1.6-RD 791.389,245.308 r0 top
D16 "Comment" SC-79_L1.2-W0.8-LS1.6-RD 31.389,205.308 r0 top
D16_1 "Comment" SC-79_L1.2-W0.8-LS1.6-RD 71.389,205.308 r0 top
D16_2 "Comment" SC-79_L1.2-W0.8-LS1.6-RD 111.389,205.308 r0 top
D16_3 "Comment" SC-79_L1.2-W0.8-LS1.6-RD 151.389,205.308 r0 top
D16_4 "Comment" SC-79_L1.2-W0.8-LS1.6-RD 191.389,205.308 r0 top
D16_5 "Comment" SC-79_L1.2-W0.8-LS1.6-RD 231.389,205.308 r0 top
D16_6 "Comment" SC-79_L1.2-W0.8-LS1.6-RD 271.389,205.308 r0 top
D16_7 "Comment" SC-79_L1.2-W0.8-LS1.6-RD 311.389,205.308 r0 top
D16_8 "Comment" SC-79_L1.2-W0.8-LS1.6-RD 351.389,205.308 r0 top
D16_9 "Comment" SC-79_L1.2-W0.8-LS1.6-RD 391.389,205.308 r0 top
D16_10 "Comment" SC-79_L1.2-W0.8-LS1.6-RD 431.389,205.308 r0 top
D16_11 "Comment" SC-79_L1.2-W0.8-LS1.6-RD 471.389,205.308 r0 top
D16_12 "Comment" SC-79_L1.2-W0.8-LS1.6-RD 511.389,205.308 r0 top
D16_13 "Comment" SC-79_L1.2-W0.8-LS1.6-RD 551.389,205.308 r0 top
D16_14 "Comment" SC-79_L1.2-W0.8-LS1.6-RD 591.389,205.308 r0 top
D16_15 "Comment" SC-79_L1.2-W0.8-LS1.6-RD 631.389,205.308 r0 top
D16_16 "Comment" SC-79_L1.2-W0.8-LS1.6-RD 671.389,205.308 r0 top
D16_17 "Comment" SC-79_L1.2-W0.8-LS1.6-RD 711.389,205.308 r0 top
D16_18 "Comment" SC-79_L1.2-W0.8-LS1.6-RD 751.389,205.308 r0 top
D16_19 "Comment" SC-79_L1.2-W0.8-LS1.6-RD 791.389,205.308 r0 top
D17 "Comment" SC-79_L1.2-W0.8-LS1.6-RD 31.389,165.308 r0 top
D17_1 "Comment" SC-79_L1.2-W0.8-LS1.6-RD 71.389,165.308 r0 top
D17_2 "Comment" SC-79_L1.2-W0.8-LS1.6-RD 111.389,165.308 r0 top
D17_3 "Comment" SC-79_L1.2-W0.8-LS1.6-RD 151.389,165.308 r0 top
D17_4 "Comment" SC-79_L1.2-W0.8-LS1.6-RD 191.389,165.308 r0 top
D17_5 "Comment" SC-79_L1.2-W0.8-LS1.6-RD 231.389,165.308 r0 top
D17_6 "Comment" SC-79_L1.2-W0.8-LS1.6-RD 271.389,165.308 r0 top
D17_7 "Comment" SC-79_L1.2-W0.8-LS1.6-RD 311.389,165.308 r0 top
D17_8 "Comment" SC-79_L1.2-W0.8-LS1.6-RD 351.389,165.308 r0 top
D17_9 "Comment" SC-79_L1.2-W0.8-LS1.6-RD 391.389,165.308 r0 top
D17_10 "Comment" SC-79_L1.2-W0.8-LS1.6-RD 431.389,165.308 r0 top
D17_11 "Comment" SC-79_L1.2-W0.8-LS1.6-RD 471.389,165.308 r0 top
D17_12 "Comment" SC-79_L1.2-W0.8-LS1.6-RD 511.389,165.308 r0 top
D17_13 "Comment" SC-79_L1.2-W0.8-LS1.6-RD 551.389,165.308 r0 top
D17_14 "Comment" SC-79_L1.2-W0.8-LS1.6-RD 591.389,165.308 r0 top
D17_15 "Comment" SC-79_L1.2-W0.8-LS1.6-RD 631.389,165.308 r0 top
D17_16 "Comment" SC-79_L1.2-W0.8-LS1.6-RD 671.389,165.308 r0 top
D17_17 "Comment" SC-79_L1.2-W0.8-LS1.6-RD 711.389,165.308 r0 top
D17_18 "Comment" SC-79_L1.2-W0.8-LS1.6-RD 751.389,165.308 r0 top
D17_19 "Comment" SC-79_L1.2-W0.8-LS1.6-RD 791.389,165.308 r0 top
D18 "Comment" SC-79_L1.2-W0.8-LS1.6-RD 31.389,125.308 r0 top
D18_1 "Comment" SC-79_L1.2-W0.8-LS1.6-RD 71.389,125.308 r0 top
D18_2 "Comment" SC-79_L1.2-W0.8-LS1.6-RD 111.389,125.308 r0 top
D18_3 "Comment" SC-79_L1.2-W0.8-LS1.6-RD 151.389,125.308 r0 top
D18_4 "Comment" SC-79_L1.2-W0.8-LS1.6-RD 191.389,125.308 r0 top
D18_5 "Comment" SC-79_L1.2-W0.8-LS1.6-RD 231.389,125.308 r0 top
D18_6 "Comment" SC-79_L1.2-W0.8-LS1.6-RD 271.389,125.308 r0 top
D18_7 "Comment" SC-79_L1.2-W0.8-LS1.6-RD 311.389,125.308 r0 top
D18_8 "Comment" SC-79_L1.2-W0.8-LS1.6-RD 351.389,125.308 r0 top
D18_9 "Comment" SC-79_L1.2-W0.8-LS1.6-RD 391.389,125.308 r0 top
D18_10 "Comment" SC-79_L1.2-W0.8-LS1.6-RD 431.389,125.308 r0 top
D18_11 "Comment" SC-79_L1.2-W0.8-LS1.6-RD 471.389,125.308 r0 top
D18_12 "Comment" SC-79_L1.2-W0.8-LS1.6-RD 511.389,125.308 r0 top
D18_13 "Comment" SC-79_L1.2-W0.8-LS1.6-RD 551.389,125.308 r0 top
D18_14 "Comment" SC-79_L1.2-W0.8-LS1.6-RD 591.389,125.308 r0 top
D18_15 "Comment" SC-79_L1.2-W0.8-LS1.6-RD 631.389,125.308 r0 top
D18_16 "Comment" SC-79_L1.2-W0.8-LS1.6-RD 671.389,125.308 r0 top
D18_17 "Comment" SC-79_L1.2-W0.8-LS1.6-RD 711.389,125.308 r0 top
D18_18 "Comment" SC-79_L1.2-W0.8-LS1.6-RD 751.389,125.308 r0 top
D18_19 "Comment" SC-79_L1.2-W0.8-LS1.6-RD 791.389,125.308 r0 top
D19 "Comment" SC-79_L1.2-W0.8-LS1.6-RD 31.389,85.308 r0 top
D19_1 "Comment" SC-79_L1.2-W0.8-LS1.6-RD 71.389,85.308 r0 top
D19_2 "Comment" SC-79_L1.2-W0.8-LS1.6-RD 111.389,85.308 r0 top
D19_3 "Comment" SC-79_L1.2-W0.8-LS1.6-RD 151.389,85.308 r0 top
D19_4 "Comment" SC-79_L1.2-W0.8-LS1.6-RD 191.389,85.308 r0 top
D19_5 "Comment" SC-79_L1.2-W0.8-LS1.6-RD 231.389,85.308 r0 top
D19_6 "Comment" SC-79_L1.2-W0.8-LS1.6-RD 271.389,85.308 r0 top
D19_7 "Comment" SC-79_L1.2-W0.8-LS1.6-RD 311.389,85.308 r0 top
D19_8 "Comment" SC-79_L1.2-W0.8-LS1.6-RD 351.389,85.308 r0 top
D19_9 "Comment" SC-79_L1.2-W0.8-LS1.6-RD 391.389,85.308 r0 top
D19_10 "Comment" SC-79_L1.2-W0.8-LS1.6-RD 431.389,85.308 r0 top
D19_11 "Comment" SC-79_L1.2-W0.8-LS1.6-RD 471.389,85.308 r0 top
D19_12 "Comment" SC-79_L1.2-W0.8-LS1.6-RD 511.389,85.308 r0 top
D19_13 "Comment" SC-79_L1.2-W0.8-LS1.6-RD 551.389,85.308 r0 top
D19_14 "Comment" SC-79_L1.2-W0.8-LS1.6-RD 591.389,85.308 r0 top
D19_15 "Comment" SC-79_L1.2-W0.8-LS1.6-RD 631.389,85.308 r0 top
D19_16 "Comment" SC-79_L1.2-W0.8-LS1.6-RD 671.389,85.308 r0 top
D19_17 "Comment" SC-79_L1.2-W0.8-LS1.6-RD 711.389,85.308 r0 top
D19_18 "Comment" SC-79_L1.2-W0.8-LS1.6-RD 751.389,85.308 r0 top
D19_19 "Comment" SC-79_L1.2-W0.8-LS1.6-RD 791.389,85.308 r0 top
D20 "Comment" SC-79_L1.2-W0.8-LS1.6-RD 31.389,45.308 r0 top
D20_1 "Comment" SC-79_L1.2-W0.8-LS1.6-RD 71.389,45.308 r0 top
D20_2 "Comment" SC-79_L1.2-W0.8-LS1.6-RD 111.389,45.308 r0 top
D20_3 "Comment" SC-79_L1.2-W0.8-LS1.6-RD 151.389,45.308 r0 top
D20_4 "Comment" SC-79_L1.2-W0.8-LS1.6-RD 191.389,45.308 r0 top
D20_5 "Comment" SC-79_L1.2-W0.8-LS1.6-RD 231.389,45.308 r0 top
D20_6 "Comment" SC-79_L1.2-W0.8-LS1.6-RD 271.389,45.308 r0 top
D20_7 "Comment" SC-79_L1.2-W0.8-LS1.6-RD 311.389,45.308 r0 top
D20_8 "Comment" SC-79_L1.2-W0.8-LS1.6-RD 351.389,45.308 r0 top
D20_9 "Comment" SC-79_L1.2-W0.8-LS1.6-RD 391.389,45.308 r0 top
D20_10 "Comment" SC-79_L1.2-W0.8-LS1.6-RD 431.389,45.308 r0 top
D20_11 "Comment" SC-79_L1.2-W0.8-LS1.6-RD 471.389,45.308 r0 top
D20_12 "Comment" SC-79_L1.2-W0.8-LS1.6-RD 511.389,45.308 r0 top
D20_13 "Comment" SC-79_L1.2-W0.8-LS1.6-RD 551.389,45.308 r0 top